# Altium PCB PCB_gravure_x4.PcbDoc (part 1 of 3) (continued)
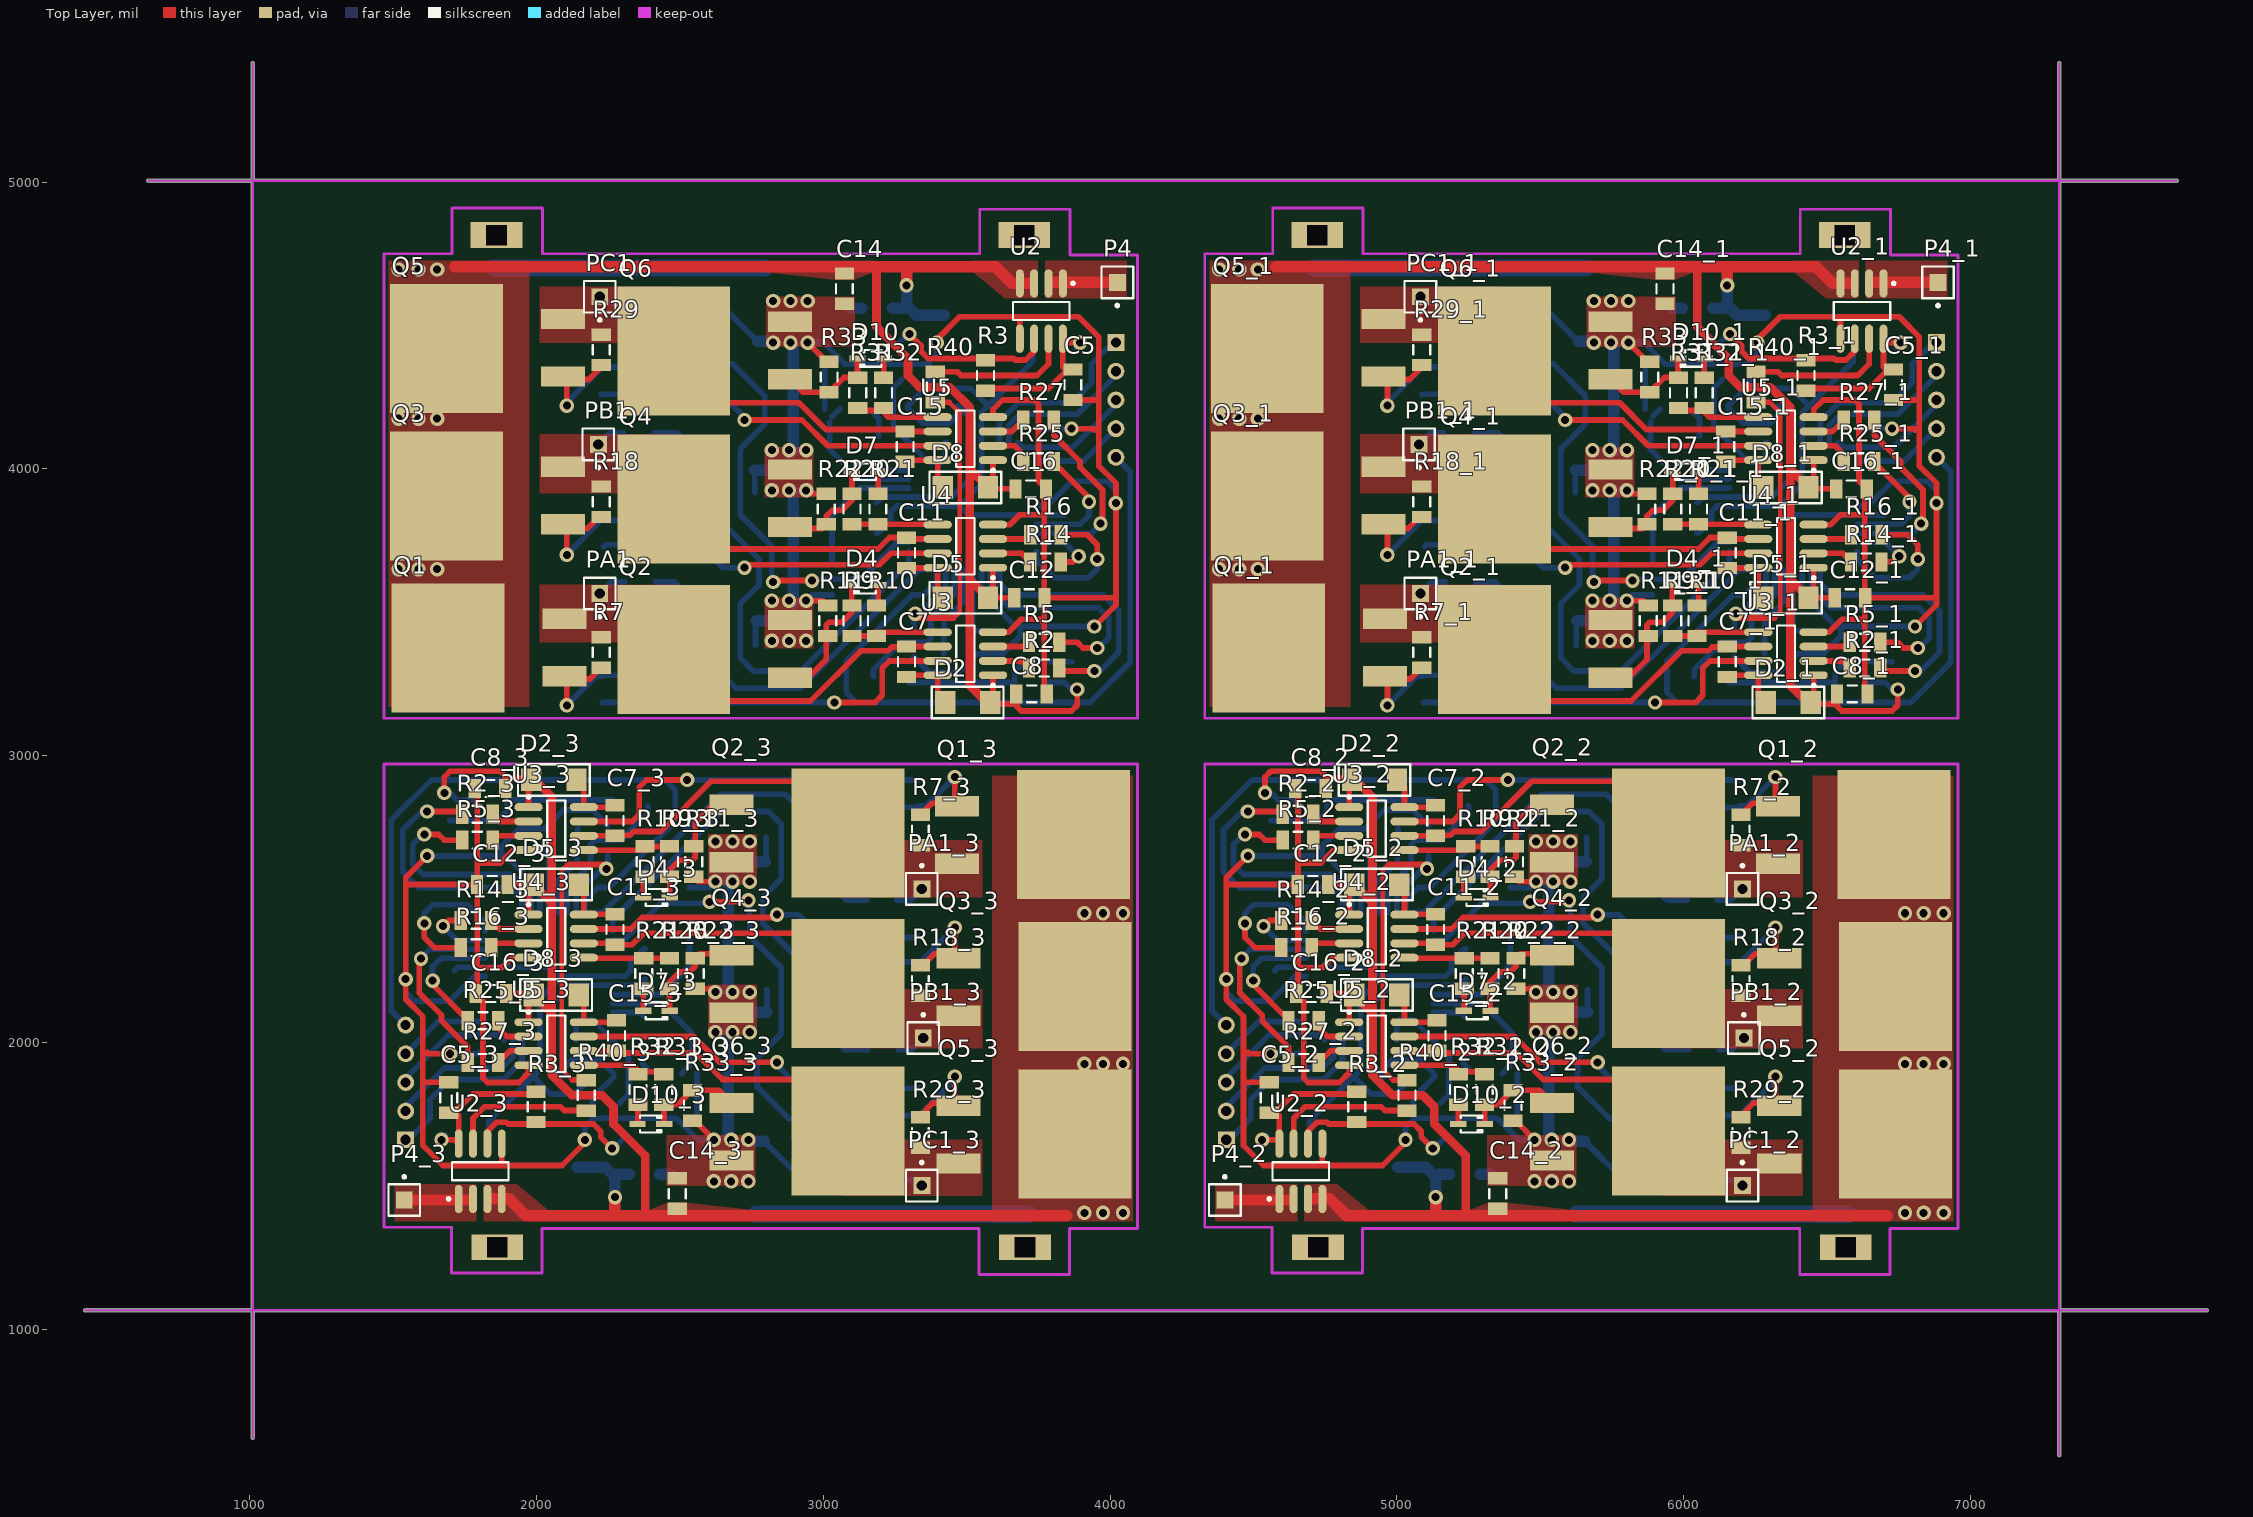
[diagram p0: Top Layer view]
## Components (designator, comment, footprint, x,y, rotation, side; value= is the part's Value field where it differs from the comment) (continued)
Q3_1 "STB85NF55T4" TO-263-2 4355,3665 r90 top (schematic designator Q3)
Q3_2 "STB85NF55T4" TO-263-2 6931.88,2435 r270 top (schematic designator Q3)
Q3_3 "STB85NF55T4" TO-263-2 4070,2435 r270 top (schematic designator Q3)
Q4 "STB85NF55T4" TO-263-2 2285,3655 r90 top
Q4_1 "STB85NF55T4" TO-263-2 5146.88,3655 r90 top (schematic designator Q4)
Q4_2 "STB85NF55T4" TO-263-2 6140,2445 r270 top (schematic designator Q4)
Q4_3 "STB85NF55T4" TO-263-2 3278.12,2445 r270 top (schematic designator Q4)
Q5 "STB85NF55T4" TO-263-2 1493.12,4180 r90 top
Q5_1 "STB85NF55T4" TO-263-2 4355,4180 r90 top (schematic designator Q5)
Q5_2 "STB85NF55T4" TO-263-2 6931.88,1920 r270 top (schematic designator Q5)
Q5_3 "STB85NF55T4" TO-263-2 4070,1920 r270 top (schematic designator Q5)
Q6 "STB85NF55T4" TO-263-2 2285,4170 r90 top
Q6_1 "STB85NF55T4" TO-263-2 5146.88,4170 r90 top (schematic designator Q6)
Q6_2 "STB85NF55T4" TO-263-2 6140,1930 r270 top (schematic designator Q6)
Q6_3 "STB85NF55T4" TO-263-2 3278.12,1930 r270 top (schematic designator Q6)
R1 "Res3" "1206 resistor" 3720,3245 r180 bottom
R1_1 "Res3" "1206 resistor" 6581.88,3245 r180 bottom (schematic designator R1)
R1_2 "Res3" "1206 resistor" 4705,2855 r0 bottom (schematic designator R1)
R1_3 "Res3" "1206 resistor" 1843.12,2855 r0 bottom (schematic designator R1)
R2 "Res3" "1206 resistor" 3770,3305 r180 top
R2_1 "Res3" "1206 resistor" 6631.88,3305 r180 top (schematic designator R2)
R2_2 "Res3" "1206 resistor" 4655,2795 r0 top (schematic designator R2)
R2_3 "Res3" "1206 resistor" 1793.12,2795 r0 top (schematic designator R2)
R3 "Res3" "1206 resistor" 3565,4325 r270 top
R3_1 "Res3" "1206 resistor" 6426.88,4325 r270 top (schematic designator R3)
R3_2 "Res3" "1206 resistor" 4860,1775 r90 top (schematic designator R3)
R3_3 "Res3" "1206 resistor" 1998.12,1775 r90 top (schematic designator R3)
R4 "Res3" "1206 resistor" 2345,3280 r180 bottom
R4_1 "Res3" "1206 resistor" 5206.88,3280 r180 bottom (schematic designator R4)
R4_2 "Res3" "1206 resistor" 6080,2820 r0 bottom (schematic designator R4)
R4_3 "Res3" "1206 resistor" 3218.12,2820 r0 bottom (schematic designator R4)
R5 "Res3" "1206 resistor" 3770,3395 r180 top
R5_1 "Res3" "1206 resistor" 6631.88,3395 r180 top (schematic designator R5)
R5_2 "Res3" "1206 resistor" 4655,2705 r0 top (schematic designator R5)
R5_3 "Res3" "1206 resistor" 1793.12,2705 r0 top (schematic designator R5)
R6 "Res3" "1206 resistor" 2345,3185 r180 bottom
R6_1 "Res3" "1206 resistor" 5206.88,3185 r180 bottom (schematic designator R6)
R6_2 "Res3" "1206 resistor" 6080,2915 r0 bottom (schematic designator R6)
R6_3 "Res3" "1206 resistor" 3218.12,2915 r0 bottom (schematic designator R6)
R7 "Res3" "1206 resistor" 2225,3360 r270 top
R7_1 "Res3" "1206 resistor" 5086.88,3360 r270 top (schematic designator R7)
R7_2 "Res3" "1206 resistor" 6200,2740 r90 top (schematic designator R7)
R7_3 "Res3" "1206 resistor" 3338.12,2740 r90 top (schematic designator R7)
R8 "Res3" "1206 resistor" 2360,3605 r180 bottom
R8_1 "Res3" "1206 resistor" 5221.88,3605 r180 bottom (schematic designator R8)
R8_2 "Res3" "1206 resistor" 6065,2495 r0 bottom (schematic designator R8)
R8_3 "Res3" "1206 resistor" 3203.12,2495 r0 bottom (schematic designator R8)
R9 "Res3" "1206 resistor" 3100,3470 r90 top
R9_1 "Res3" "1206 resistor" 5961.88,3470 r90 top (schematic designator R9)
R9_2 "Res3" "1206 resistor" 5325,2630 r270 top (schematic designator R9)
R9_3 "Res3" "1206 resistor" 2463.12,2630 r270 top (schematic designator R9)
R10 "Res3" "1206 resistor" 3185,3470 r90 top
R10_1 "Res3" "1206 resistor" 6046.88,3470 r90 top (schematic designator R10)
R10_2 "Res3" "1206 resistor" 5240,2630 r270 top (schematic designator R10)
R10_3 "Res3" "1206 resistor" 2378.12,2630 r270 top (schematic designator R10)
R11 "Res3" "1206 resistor" 3015,3470 r270 top
R11_1 "Res3" "1206 resistor" 5876.88,3470 r270 top (schematic designator R11)
R11_2 "Res3" "1206 resistor" 5410,2630 r90 top (schematic designator R11)
R11_3 "Res3" "1206 resistor" 2548.12,2630 r90 top (schematic designator R11)
R12 "Res3" "1206 resistor" 2710,3385 r180 bottom
R12_1 "Res3" "1206 resistor" 5571.88,3385 r180 bottom (schematic designator R12)
R12_2 "Res3" "1206 resistor" 5715,2715 r0 bottom (schematic designator R12)
R12_3 "Res3" "1206 resistor" 2853.12,2715 r0 bottom (schematic designator R12)
R13 "Res3" "1206 resistor" 2535,3470 r180 bottom
R13_1 "Res3" "1206 resistor" 5396.88,3470 r180 bottom (schematic designator R13)
R13_2 "Res3" "1206 resistor" 5890,2630 r0 bottom (schematic designator R13)
R13_3 "Res3" "1206 resistor" 3028.12,2630 r0 bottom (schematic designator R13)
R14 "Res3" "1206 resistor" 3775,3675 r180 top
R14_1 "Res3" "1206 resistor" 6636.88,3675 r180 top (schematic designator R14)
R14_2 "Res3" "1206 resistor" 4650,2425 r0 top (schematic designator R14)
R14_3 "Res3" "1206 resistor" 1788.12,2425 r0 top (schematic designator R14)
R15 "Res3" "1206 resistor" 2360,3820 r180 bottom
R15_1 "Res3" "1206 resistor" 5221.88,3820 r180 bottom (schematic designator R15)
R15_2 "Res3" "1206 resistor" 6065,2280 r0 bottom (schematic designator R15)
R15_3 "Res3" "1206 resistor" 3203.12,2280 r0 bottom (schematic designator R15)
R16 "Res3" "1206 resistor" 3775,3770 r180 top
R16_1 "Res3" "1206 resistor" 6636.88,3770 r180 top (schematic designator R16)
R16_2 "Res3" "1206 resistor" 4650,2330 r0 top (schematic designator R16)
R16_3 "Res3" "1206 resistor" 1788.12,2330 r0 top (schematic designator R16)
R17 "Res3" "1206 resistor" 2360,3735 r180 bottom
R17_1 "Res3" "1206 resistor" 5221.88,3735 r180 bottom (schematic designator R17)
R17_2 "Res3" "1206 resistor" 6065,2365 r0 bottom (schematic designator R17)
R17_3 "Res3" "1206 resistor" 3203.12,2365 r0 bottom (schematic designator R17)
R18 "Res3" "1206 resistor" 2225,3885 r270 top
R18_1 "Res3" "1206 resistor" 5086.88,3885 r270 top (schematic designator R18)
R18_2 "Res3" "1206 resistor" 6200,2215 r90 top (schematic designator R18)
R18_3 "Res3" "1206 resistor" 3338.12,2215 r90 top (schematic designator R18)
R19 "Res3" "1206 resistor" 2355,4125 r180 bottom
R19_1 "Res3" "1206 resistor" 5216.88,4125 r180 bottom (schematic designator R19)
R19_2 "Res3" "1206 resistor" 6070,1975 r0 bottom (schematic designator R19)
R19_3 "Res3" "1206 resistor" 3208.12,1975 r0 bottom (schematic designator R19)
R20 "Res3" "1206 resistor" 3100,3860 r90 top
R20_1 "Res3" "1206 resistor" 5961.88,3860 r90 top (schematic designator R20)
R20_2 "Res3" "1206 resistor" 5325,2240 r270 top (schematic designator R20)
R20_3 "Res3" "1206 resistor" 2463.12,2240 r270 top (schematic designator R20)
R21 "Res3" "1206 resistor" 3190,3860 r90 top
R21_1 "Res3" "1206 resistor" 6051.88,3860 r90 top (schematic designator R21)
R21_2 "Res3" "1206 resistor" 5235,2240 r270 top (schematic designator R21)
R21_3 "Res3" "1206 resistor" 2373.12,2240 r270 top (schematic designator R21)
R22 "Res3" "1206 resistor" 3010,3860 r270 top
R22_1 "Res3" "1206 resistor" 5871.88,3860 r270 top (schematic designator R22)
R22_2 "Res3" "1206 resistor" 5415,2240 r90 top (schematic designator R22)
R22_3 "Res3" "1206 resistor" 2553.12,2240 r90 top (schematic designator R22)
R23 "Res3" "1206 resistor" 2705,3915 r180 bottom
R23_1 "Res3" "1206 resistor" 5566.88,3915 r180 bottom (schematic designator R23)
R23_2 "Res3" "1206 resistor" 5720,2185 r0 bottom (schematic designator R23)
R23_3 "Res3" "1206 resistor" 2858.12,2185 r0 bottom (schematic designator R23)
R24 "Res3" "1206 resistor" 2535,3995 r180 bottom
R24_1 "Res3" "1206 resistor" 5396.88,3995 r180 bottom (schematic designator R24)
R24_2 "Res3" "1206 resistor" 5890,2105 r0 bottom (schematic designator R24)
R24_3 "Res3" "1206 resistor" 3028.12,2105 r0 bottom (schematic designator R24)
R25 "Res3" "1206 resistor" 3750,4025 r180 top
R25_1 "Res3" "1206 resistor" 6611.88,4025 r180 top (schematic designator R25)
R25_2 "Res3" "1206 resistor" 4675,2075 r0 top (schematic designator R25)
R25_3 "Res3" "1206 resistor" 1813.12,2075 r0 top (schematic designator R25)
R26 "Res3" "1206 resistor" 2365,4355 r180 bottom
R26_1 "Res3" "1206 resistor" 5226.88,4355 r180 bottom (schematic designator R26)
R26_2 "Res3" "1206 resistor" 6060,1745 r0 bottom (schematic designator R26)
R26_3 "Res3" "1206 resistor" 3198.12,1745 r0 bottom (schematic designator R26)
R27 "Res3" "1206 resistor" 3750,4170 r180 top
R27_1 "Res3" "1206 resistor" 6611.88,4170 r180 top (schematic designator R27)
R27_2 "Res3" "1206 resistor" 4675,1930 r0 top (schematic designator R27)
R27_3 "Res3" "1206 resistor" 1813.12,1930 r0 top (schematic designator R27)
R28 "Res3" "1206 resistor" 2365,4260 r180 bottom
R28_1 "Res3" "1206 resistor" 5226.88,4260 r180 bottom (schematic designator R28)
R28_2 "Res3" "1206 resistor" 6060,1840 r0 bottom (schematic designator R28)
R28_3 "Res3" "1206 resistor" 3198.12,1840 r0 bottom (schematic designator R28)
R29 "Res3" "1206 resistor" 2225,4415 r270 top
R29_1 "Res3" "1206 resistor" 5086.88,4415 r270 top (schematic designator R29)
R29_2 "Res3" "1206 resistor" 6200,1685 r90 top (schematic designator R29)
R29_3 "Res3" "1206 resistor" 3338.12,1685 r90 top (schematic designator R29)
R30 "Res3" "1206 resistor" 2361.15,4579.99 r180 bottom
R30_1 "Res3" "1206 resistor" 5223.02,4579.99 r180 bottom (schematic designator R30)
R30_2 "Res3" "1206 resistor" 6063.85,1520.01 r0 bottom (schematic designator R30)
R30_3 "Res3" "1206 resistor" 3201.98,1520.01 r0 bottom (schematic designator R30)
R31 "Res3" "1206 resistor" 3120,4265 r90 top
R31_1 "Res3" "1206 resistor" 5981.88,4265 r90 top (schematic designator R31)
R31_2 "Res3" "1206 resistor" 5305,1835 r270 top (schematic designator R31)
R31_3 "Res3" "1206 resistor" 2443.12,1835 r270 top (schematic designator R31)
R32 "Res3" "1206 resistor" 3210,4265 r90 top
R32_1 "Res3" "1206 resistor" 6071.88,4265 r90 top (schematic designator R32)
R32_2 "Res3" "1206 resistor" 5215,1835 r270 top (schematic designator R32)
R32_3 "Res3" "1206 resistor" 2353.12,1835 r270 top (schematic designator R32)
R33 "Res3" "1206 resistor" 3020,4320 r270 top
R33_1 "Res3" "1206 resistor" 5881.88,4320 r270 top (schematic designator R33)
R33_2 "Res3" "1206 resistor" 5405,1780 r90 top (schematic designator R33)
R33_3 "Res3" "1206 resistor" 2543.12,1780 r90 top (schematic designator R33)
R34 "Res3" "1206 resistor" 2540,4579.99 r180 bottom
R34_1 "Res3" "1206 resistor" 5401.88,4579.99 r180 bottom (schematic designator R34)
R34_2 "Res3" "1206 resistor" 5885,1520.01 r0 bottom (schematic designator R34)
R34_3 "Res3" "1206 resistor" 3023.12,1520.01 r0 bottom (schematic designator R34)
R35 "Res3" "1206 resistor" 2540,4445 r180 bottom
R35_1 "Res3" "1206 resistor" 5401.88,4445 r180 bottom (schematic designator R35)
R35_2 "Res3" "1206 resistor" 5885,1655 r0 bottom (schematic designator R35)
R35_3 "Res3" "1206 resistor" 3023.12,1655 r0 bottom (schematic designator R35)
R36 "Res3" "1206 resistor" 3475,3435 r0 bottom
R36_1 "Res3" "1206 resistor" 6336.88,3435 r0 bottom (schematic designator R36)
R36_2 "Res3" "1206 resistor" 4950,2665 r180 bottom (schematic designator R36)
R36_3 "Res3" "1206 resistor" 2088.12,2665 r180 bottom (schematic designator R36)
R37 "Res3" "1206 resistor" 3860,3380 r270 bottom
R37_1 "Res3" "1206 resistor" 6721.88,3380 r270 bottom (schematic designator R37)
R37_2 "Res3" "1206 resistor" 4565,2720 r90 bottom (schematic designator R37)
R37_3 "Res3" "1206 resistor" 1703.12,2720 r90 bottom (schematic designator R37)
R38 "Res3" "1206 resistor" 3240,3260 r0 bottom
R38_1 "Res3" "1206 resistor" 6101.88,3260 r0 bottom (schematic designator R38)
R38_2 "Res3" "1206 resistor" 5185,2840 r180 bottom (schematic designator R38)
R38_3 "Res3" "1206 resistor" 2323.12,2840 r180 bottom (schematic designator R38)
R39 "Res3" "1206 resistor" 3273.12,4365 r270 bottom
R39_1 "Res3" "1206 resistor" 6135,4365 r270 bottom (schematic designator R39)
R39_2 "Res3" "1206 resistor" 5151.88,1735 r90 bottom (schematic designator R39)
R39_3 "Res3" "1206 resistor" 2290,1735 r90 bottom (schematic designator R39)
R40 "Res3" "1206 resistor" 3390,4285 r270 top
R40_1 "Res3" "1206 resistor" 6251.88,4285 r270 top (schematic designator R40)
R40_2 "Res3" "1206 resistor" 5035,1815 r90 top (schematic designator R40)
R40_3 "Res3" "1206 resistor" 2173.12,1815 r90 top (schematic designator R40)
R41 "Res3" "1206 resistor" 3193.12,4060 r270 bottom
R41_1 "Res3" "1206 resistor" 6055,4060 r270 bottom (schematic designator R41)
R41_2 "Res3" "1206 resistor" 5231.88,2040 r90 bottom (schematic designator R41)
R41_3 "Res3" "1206 resistor" 2370,2040 r90 bottom (schematic designator R41)
U1 "DSPIC30F3011-30I/PT" TQFP-PT44_N 3520,3870 r180 bottom
U1_1 "DSPIC30F3011-30I/PT" TQFP-PT44_N 6381.88,3870 r180 bottom (schematic designator U1)
U1_2 "DSPIC30F3011-30I/PT" TQFP-PT44_N 4905,2230 r0 bottom (schematic designator U1)
U1_3 "DSPIC30F3011-30I/PT" TQFP-PT44_N 2043.12,2230 r0 bottom (schematic designator U1)
U2 "ACS711" SOIC8 3760,4550 r270 top
U2_1 "ACS711" SOIC8 6621.88,4550 r270 top (schematic designator U2)
U2_2 "ACS711" SOIC8 4665,1550 r90 top (schematic designator U2)
U2_3 "ACS711" SOIC8 1803.12,1550 r90 top (schematic designator U2)
U3 "FAN7382M" SOIC8 3495,3355 r180 top
U3_1 "FAN7382M" SOIC8 6356.88,3355 r180 top (schematic designator U3)
U3_2 "FAN7382M" SOIC8 4930,2745 r0 top (schematic designator U3)
U3_3 "FAN7382M" SOIC8 2068.12,2745 r0 top (schematic designator U3)
U4 "FAN7382M" SOIC8 3495,3730 r180 top
U4_1 "FAN7382M" SOIC8 6356.88,3730 r180 top (schematic designator U4)
U4_2 "FAN7382M" SOIC8 4930,2370 r0 top (schematic designator U4)
U4_3 "FAN7382M" SOIC8 2068.12,2370 r0 top (schematic designator U4)
U5 "FAN7382M" SOIC8 3495,4105 r180 top
U5_1 "FAN7382M" SOIC8 6356.88,4105 r180 top (schematic designator U5)
U5_2 "FAN7382M" SOIC8 4930,1995 r0 top (schematic designator U5)
U5_3 "FAN7382M" SOIC8 2068.12,1995 r0 top (schematic designator U5)
U6 "AP1117ID50G" TO-252 3710,4440 r180 bottom
U6_1 "AP1117ID50G" TO-252 6571.88,4440 r180 bottom (schematic designator U6)
U6_2 "AP1117ID50G" TO-252 4715,1660 r0 bottom (schematic designator U6)
U6_3 "AP1117ID50G" TO-252 1853.12,1660 r0 bottom (schematic designator U6)
Y1 "XTAL" HC49/US 3030,3990 r270 bottom
Y1_1 "XTAL" HC49/US 5891.88,3990 r270 bottom (schematic designator Y1)
Y1_2 "XTAL" HC49/US 5395,2110 r90 bottom (schematic designator Y1)
Y1_3 "XTAL" HC49/US 2533.12,2110 r90 bottom (schematic designator Y1)

## Footprints (in the part's own frame and the unit in brackets; to place one, negate y for a bottom-side part, rotate by r counter-clockwise, add the part's x,y. Pads: shape width x height; smd on the part's side, far side on the other; paste and mask are expansions set on the pad)
"1206 capacitor" [mm]
  rect 1.1x1.7 smd: 1(-1.299,0) 2(1.401,0)
  silkscreen extent -0.35,-0.75 0.45,0.75, body extent -1.47,-0.8 1.73,0.8, height 1
"1206 resistor" [mm]
  rect 1.1x1.7 smd: 1(-1.35,0) 2(1.35,0)
  silkscreen extent -0.4,-0.75 0.4,0.75, body extent -1.6,-0.8 1.6,0.8, height 1
"Cap elec 10x16-5 Surface Mount" [mm]
  rect 2x7 smd: 1(0,0) 2(5,0)
  body extent -2.4,-1.6 7.6,17.4, height 10
DO-214AC [mm]
  rect 1.8x2 smd: A(-2,0) K(2,0)
  silkscreen extent -3.17,-1.4 3.17,1.4, body extent -2.55,-1.33 2.55,1.33, height 2.17
HC49/US [mm] "Crystal oscillator smd"
  rect 5.5x2 smd: 1(-4.877,0) 2(4.623,0)
  silkscreen extent -5.83,-2.45 5.57,2.45, body extent -6.48,-2.41 6.22,2.29, height 4.2
HDR1X5 [mm] "Connector; Header; 5 Position"
  rect 1.5x1.5 hole 0.9: 1(0,0)
  round 1.5 hole 0.9: 2(2.54,0) 3(5.08,0) 4(7.62,0) 5(10.16,0)
  silkscreen extent -1.27,-1.27 11.43,1.27, body extent -1.15,-1.25 11.55,1.25, height 8.2
"LED 1206 BLUE" [mm] "SMT BLUE LED; 2 Flat Leads"
  rect 1.5x1.5 smd: 1(-1.75,0) 2(1.75,0)
  silkscreen extent -2.9,-1.15 3.2,1.15, body extent -1.6,-0.79 1.6,0.81, height 1.11
PIN1#1 [mm] "Connector; Plug"
  rect 1.5x1.5 smd: 1(0,0)
  silkscreen extent -1.4,-1.4 1.4,2.17
PIN1#2 [mm] "Connector; Plug"
  rect 1.5x1.5 hole 0.9: 1(0,0)
  silkscreen extent -1.4,-1.4 1.4,2.17
SOD323 [mm]
  rect 1.45x0.55 smd: 1(1.175,0) 2(-1.175,0)
  silkscreen extent -0.95,-0.75 0.95,0.75, body extent -1.22,-0.61 1.28,0.64, height 1
SOIC8 [mm]
  oval 2.5x0.7 smd: 1(-2.45,1.905) 2(-2.45,0.635) 3(-2.45,-0.635) 4(-2.45,-1.905) 5(2.45,-1.905) 6(2.45,-0.635) 7(2.45,0.635) 8(2.45,1.905)
  silkscreen extent -2.57,-2.5 0.8,2.93, body extent -2.9,-2.45 3.1,2.45, height 1.75
TO-252 [mm] "3 pins"
  rect 3.5x2 smd: 1(7.3,-2.4) 3(7.3,2.4)
  rect 7.5x7.5 smd: 2(-0.5,0)
  body extent -2.33,-3.27 7.61,3.27, height 2.29
TO-263-2 [mm] "D2PAK, 2 leads"
  rect 1.8x3.9 smd: 1(3.6,-15.2) 3(8.7,-15.2)
  rect 11.43x10 smd: tab(6.1,-4.9)
  body extent 1.03,-16.44 11.7,-0.56, height 4.83
TQFP-PT44_N [mm] "Thin QFP, 44-Leads, Body 10x10mm, Pitch 0.8mm, IPC Medium Density"
  oval 1.75x0.55 smd: 1(-5.65,4) 2(-5.65,3.2) 3(-5.65,2.4) 4(-5.65,1.6) 5(-5.65,0.8) 6(-5.65,0) 7(-5.65,-0.8) 8(-5.65,-1.6) 9(-5.65,-2.4) 10(-5.65,-3.2) 11(-5.65,-4) 23(5.65,-4) 24(5.65,-3.2) 25(5.65,-2.4) 26(5.65,-1.6) 27(5.65,-0.8) 28(5.65,0) 29(5.65,0.8) 30(5.65,1.6) 31(5.65,2.4) 32(5.65,3.2) 33(5.65,4)
  oval 0.55x1.75 smd: 12(-4,-5.65) 13(-3.2,-5.65) 14(-2.4,-5.65) 15(-1.6,-5.65) 16(-0.8,-5.65) 17(0,-5.65) 18(0.8,-5.65) 19(1.6,-5.65) 20(2.4,-5.65) 21(3.2,-5.65) 22(4,-5.65) 34(4,5.65) 35(3.2,5.65) 36(2.4,5.65) 37(1.6,5.65) 38(0.8,5.65) 39(0,5.65) 40(-0.8,5.65) 41(-1.6,5.65) 42(-2.4,5.65) 43(-3.2,5.65) 44(-4,5.65)
  silkscreen extent -5.77,-4.35 4.35,4.95, body extent -5,-5 5,5, height 1.2

## Part data
C1 C1_1 C1_2 C1_3 C2 C2_1 C2_2 C2_3 C3 C3_1 C3_2 C3_3 C4 C4_1 C4_2 C4_3 C5 C5_1 C5_2 C5_3 C7 C7_1 C7_2 C7_3 C8 C8_1 C8_2 C8_3 C9 C9_1 C9_2 C9_3 C11 C11_1 C11_2 C11_3 C12 C12_1 C12_2 C12_3 C13 C13_1 C13_2 C13_3 C14 C14_1 C14_2 C14_3 C15 C15_1 C15_2 C15_3 C16 C16_1 C16_2 C16_3 C17 C17_1 C17_2 C17_3 C18 C18_1 C18_2 C18_3 C19 C19_1 C19_2 C19_3 C20 C20_1 C20_2 C20_3 C21 C21_1 C21_2 C21_3 C22 C22_1 C22_2 C22_3 C23 C23_1 C23_2 C23_3: "SMD capacitor"
C6 C6_1 C6_2 C6_3 C10 C10_1 C10_2 C10_3: "Capa pol through hole"
C24 C24_1 C24_2 C24_3 C25 C25_1 C25_2 C25_3: "Capacitor (Semiconductor SIM Model)"
D1 D1_1 D1_2 D1_3: "Typical RED, GREEN, YELLOW, AMBER GaAs LED"
D2 D2_1 D2_2 D2_3 D5 D5_1 D5_2 D5_3 D8 D8_1 D8_2 D8_3: "1.0A SURFACE MOUNT SUPER-FAST RECTIFIER"
D3 D3_1 D3_2 D3_3 D4 D4_1 D4_2 D4_3 D6 D6_1 D6_2 D6_3 D7 D7_1 D7_2 D7_3 D9 D9_1 D9_2 D9_3 D10 D10_1 D10_2 D10_3: "Diode commutation"
P2 P2_1 P2_2 P2_3: "Header, 5-Pin"
Q1 Q1_1 Q1_2 Q1_3 Q2 Q2_1 Q2_2 Q2_3 Q3 Q3_1 Q3_2 Q3_3 Q4 Q4_1 Q4_2 Q4_3 Q5 Q5_1 Q5_2 Q5_3 Q6 Q6_1 Q6_2 Q6_3: "MOSFET Canal-N, 80A 55V"
R1 R1_1 R1_2 R1_3 R2 R2_1 R2_2 R2_3 R3 R3_1 R3_2 R3_3 R4 R4_1 R4_2 R4_3 R5 R5_1 R5_2 R5_3 R6 R6_1 R6_2 R6_3 R7 R7_1 R7_2 R7_3 R8 R8_1 R8_2 R8_3 R9 R9_1 R9_2 R9_3 R10 R10_1 R10_2 R10_3 R11 R11_1 R11_2 R11_3 R12 R12_1 R12_2 R12_3 R13 R13_1 R13_2 R13_3 R14 R14_1 R14_2 R14_3 R15 R15_1 R15_2 R15_3 R16 R16_1 R16_2 R16_3 R17 R17_1 R17_2 R17_3 R18 R18_1 R18_2 R18_3 R19 R19_1 R19_2 R19_3 R20 R20_1 R20_2 R20_3 R21 R21_1 R21_2 R21_3 R22 R22_1 R22_2 R22_3 R23 R23_1 R23_2 R23_3 R24 R24_1 R24_2 R24_3 R25 R25_1 R25_2 R25_3 R26 R26_1 R26_2 R26_3 R27 R27_1 R27_2 R27_3 R28 R28_1 R28_2 R28_3 R29 R29_1 R29_2 R29_3 R30 R30_1 R30_2 R30_3 R31 R31_1 R31_2 R31_3 R32 R32_1 R32_2 R32_3 R33 R33_1 R33_2 R33_3 R34 R34_1 R34_2 R34_3 R35 R35_1 R35_2 R35_3 R36 R36_1 R36_2 R36_3 R37 R37_1 R37_2 R37_3 R38 R38_1 R38_2 R38_3 R39 R39_1 R39_2 R39_3 R40 R40_1 R40_2 R40_3 R41 R41_1 R41_2 R41_3: "Resistor"
U1 U1_1 U1_2 U1_3: "High-Performance 16-bit Digital Signal Controller, 24 KB Flash, 1 KB SRAM, 1 KB EEPROM, 44-Pin TQFP, Industrial Temperature"
U2 U2_1 U2_2 U2_3: "+/-12A HALL EFFECT CURRENT SENSOR"
U3 U3_1 U3_2 U3_3 U4 U4_1 U4_2 U4_3 U5 U5_1 U5_2 U5_3: "High and Low Side Gate Driver"
U6 U6_1 U6_2 U6_3: "LDO Voltage Regulator"
Y1 Y1_1 Y1_2 Y1_3: "Crystal Oscillator"

## Free pads (board coordinates)
  rect 180x90 hole 70 square: 0(1860,4815) 0(1863.12,1285) 0(3700,4815) 0(3703.12,1285) 0(4721.88,4815) 0(4725,1285) 0(6561.88,4815) 0(6565,1285)

## Via types
v1: diameter 50, hole 28, Top Layer to Bottom Layer, 200 vias

## Nets (pads, with @x,y where several pads share a name; then routed paths per layer and width w, separated by ;. In a path a pad name is that pad's centre, name@x,y a point inside that pad or via, vN(x,y) a via of type N, cw(c..) or ccw(c..) an arc to the next point about the centre after c; other vN are vias at no path point)
pads on no net: C1.1 C1.2 C1_1.1 C1_1.2 C1_2.1 C1_2.2 C1_3.1 C1_3.2 C2.1 C2.2 C2_1.1 C2_1.2 C2_2.1 C2_2.2 C2_3.1 C2_3.2 C3.1 C3.2 C3_1.1 C3_1.2 C3_2.1 C3_2.2 C3_3.1 C3_3.2 C4.1 C4.2 C4_1.1 C4_1.2 C4_2.1 C4_2.2 C4_3.1 C4_3.2 C5.1 C5.2 C5_1.1 C5_1.2 C5_2.1 C5_2.2 C5_3.1 C5_3.2 C6.1 C6.2 C6_1.1 C6_1.2 C6_2.1 C6_2.2 C6_3.1 C6_3.2 C7.1 C7.2 C7_1.1 C7_1.2 C7_2.1 C7_2.2 C7_3.1 C7_3.2 C8.1 C8.2 C8_1.1 C8_1.2 C8_2.1 C8_2.2 C8_3.1 C8_3.2 C9.1 C9.2 C9_1.1 C9_1.2 C9_2.1 C9_2.2 C9_3.1 C9_3.2 C10.1 C10.2 C10_1.1 C10_1.2 C10_2.1 C10_2.2 C10_3.1 C10_3.2 C11.1 C11.2 C11_1.1 C11_1.2 C11_2.1 C11_2.2 C11_3.1 C11_3.2 C12.1 C12.2 C12_1.1 C12_1.2 C12_2.1 C12_2.2 C12_3.1 C12_3.2 C13.1 C13.2 C13_1.1 C13_1.2 C13_2.1 C13_2.2 C13_3.1 C13_3.2 C14.1 C14.2 C14_1.1 C14_1.2 C14_2.1 C14_2.2 C14_3.1 C14_3.2 C15.1 C15.2 C15_1.1 C15_1.2 C15_2.1 C15_2.2 C15_3.1 C15_3.2 C16.1 C16.2 C16_1.1 C16_1.2 C16_2.1 C16_2.2 C16_3.1 C16_3.2 C17.1 C17.2 C17_1.1 C17_1.2 C17_2.1 C17_2.2 C17_3.1 C17_3.2 C18.1 C18.2 C18_1.1 C18_1.2 C18_2.1 C18_2.2 C18_3.1 C18_3.2 C19.1 C19.2 C19_1.1 C19_1.2 C19_2.1 C19_2.2 C19_3.1 C19_3.2 C20.1 C20.2 C20_1.1 C20_1.2 C20_2.1 C20_2.2 C20_3.1 C20_3.2 C21.1 C21.2 C21_1.1 C21_1.2 C21_2.1 C21_2.2 C21_3.1 C21_3.2 C22.1 C22.2 C22_1.1 C22_1.2 C22_2.1 C22_2.2 C22_3.1 C22_3.2 C23.1 C23.2 C23_1.1 C23_1.2 C23_2.1 C23_2.2 C23_3.1 C23_3.2 C24.1 C24.2 C24_1.1 C24_1.2 C24_2.1 C24_2.2 C24_3.1 C24_3.2 C25.1 C25.2 C25_1.1 C25_1.2 C25_2.1 C25_2.2 C25_3.1 C25_3.2 D1.1 D1.2 D1_1.1 D1_1.2 D1_2.1 D1_2.2 D1_3.1 D1_3.2 D2.A D2.K D2_1.A D2_1.K D2_2.A D2_2.K D2_3.A D2_3.K D3.1 D3.2 D3_1.1 D3_1.2 D3_2.1 D3_2.2 D3_3.1 D3_3.2 D4.1 D4.2 D4_1.1 D4_1.2 D4_2.1 D4_2.2 D4_3.1 D4_3.2 D5.A D5.K D5_1.A D5_1.K D5_2.A D5_2.K D5_3.A D5_3.K D6.1 D6.2 D6_1.1 D6_1.2 D6_2.1 D6_2.2 D6_3.1 D6_3.2 D7.1 D7.2 D7_1.1 D7_1.2 D7_2.1 D7_2.2 D7_3.1 D7_3.2 D8.A D8.K D8_1.A D8_1.K D8_2.A D8_2.K D8_3.A D8_3.K D9.1 D9.2 D9_1.1 D9_1.2 D9_2.1 D9_2.2 D9_3.1 D9_3.2 D10.1 D10.2 D10_1.1 D10_1.2 D10_2.1 D10_2.2 D10_3.1 D10_3.2 P2.1 P2.2 P2.3 P2.4 P2.5 P2_1.1 P2_1.2 P2_1.3 P2_1.4 P2_1.5 P2_2.1 P2_2.2 P2_2.3 P2_2.4 P2_2.5 P2_3.1 P2_3.2 P2_3.3 P2_3.4 P2_3.5 P4.1 P4_1.1 P4_2.1 P4_3.1 P5.1 P5_1.1 P5_2.1 P5_3.1 PA1.1 PA1_1.1 PA1_2.1 PA1_3.1 PB1.1 PB1_1.1 PB1_2.1 PB1_3.1 PC1.1 PC1_1.1 PC1_2.1 PC1_3.1 Q1.1 Q1.3 Q1.tab Q1_1.1 Q1_1.3 Q1_1.tab Q1_2.1 Q1_2.3 Q1_2.tab Q1_3.1 Q1_3.3 Q1_3.tab Q2.1 Q2.3 Q2.tab Q2_1.1 Q2_1.3 Q2_1.tab Q2_2.1 Q2_2.3 Q2_2.tab Q2_3.1 Q2_3.3 Q2_3.tab Q3.1 Q3.3 Q3.tab Q3_1.1 Q3_1.3 Q3_1.tab Q3_2.1 Q3_2.3 Q3_2.tab Q3_3.1 Q3_3.3 Q3_3.tab Q4.1 Q4.3 Q4.tab Q4_1.1 Q4_1.3 Q4_1.tab Q4_2.1 Q4_2.3 Q4_2.tab Q4_3.1 Q4_3.3 Q4_3.tab Q5.1 Q5.3 Q5.tab Q5_1.1 Q5_1.3 Q5_1.tab Q5_2.1 Q5_2.3 Q5_2.tab Q5_3.1 Q5_3.3 Q5_3.tab Q6.1 Q6.3 Q6.tab Q6_1.1 Q6_1.3 Q6_1.tab Q6_2.1 Q6_2.3 Q6_2.tab Q6_3.1 Q6_3.3 Q6_3.tab R1.1 R1.2 R1_1.1 R1_1.2 R1_2.1 R1_2.2 R1_3.1 R1_3.2 R2.1 R2.2 R2_1.1 R2_1.2 R2_2.1 R2_2.2 R2_3.1 R2_3.2 R3.1 R3.2 R3_1.1 R3_1.2 R3_2.1 R3_2.2 R3_3.1 R3_3.2 R4.1 R4.2 R4_1.1 R4_1.2 R4_2.1 R4_2.2 R4_3.1 R4_3.2 R5.1 R5.2 R5_1.1 R5_1.2 R5_2.1 R5_2.2 R5_3.1 R5_3.2 R6.1 R6.2 R6_1.1 R6_1.2 R6_2.1 R6_2.2 R6_3.1 R6_3.2 R7.1 R7.2 R7_1.1 R7_1.2 R7_2.1 R7_2.2 R7_3.1 R7_3.2 R8.1 R8.2 R8_1.1 R8_1.2 R8_2.1 R8_2.2 R8_3.1 R8_3.2 R9.1 R9.2 R9_1.1 R9_1.2 R9_2.1 R9_2.2 R9_3.1 R9_3.2 R10.1 R10.2 R10_1.1 R10_1.2 R10_2.1 R10_2.2 R10_3.1 R10_3.2 R11.1 R11.2 R11_1.1 R11_1.2 R11_2.1 R11_2.2 R11_3.1 R11_3.2 R12.1 R12.2 R12_1.1 R12_1.2 R12_2.1 R12_2.2 R12_3.1 R12_3.2 R13.1 R13.2 R13_1.1 R13_1.2 R13_2.1 R13_2.2 R13_3.1 R13_3.2 R14.1 R14.2 R14_1.1 R14_1.2 R14_2.1 R14_2.2 R14_3.1 R14_3.2 R15.1 R15.2 R15_1.1 R15_1.2 R15_2.1 R15_2.2 R15_3.1 R15_3.2 R16.1 R16.2 R16_1.1 R16_1.2 R16_2.1 R16_2.2 R16_3.1 R16_3.2 R17.1 R17.2 R17_1.1 R17_1.2 R17_2.1 R17_2.2 R17_3.1 R17_3.2 R18.1 R18.2 R18_1.1 R18_1.2 R18_2.1 R18_2.2 R18_3.1 R18_3.2 R19.1 R19.2 R19_1.1 R19_1.2 R19_2.1 R19_2.2 R19_3.1 R19_3.2 R20.1 R20.2 R20_1.1 R20_1.2 R20_2.1 R20_2.2 R20_3.1 R20_3.2 R21.1 R21.2 R21_1.1 R21_1.2 R21_2.1 R21_2.2 R21_3.1 R21_3.2 R22.1 R22.2 R22_1.1 R22_1.2 R22_2.1 R22_2.2 R22_3.1 R22_3.2 R23.1 R23.2 R23_1.1 R23_1.2 R23_2.1 R23_2.2 R23_3.1 R23_3.2 R24.1 R24.2 R24_1.1 R24_1.2 R24_2.1 R24_2.2 R24_3.1 R24_3.2 R25.1 R25.2 R25_1.1 R25_1.2 R25_2.1 R25_2.2 R25_3.1 R25_3.2 R26.1 R26.2 R26_1.1 R26_1.2 R26_2.1 R26_2.2 R26_3.1 R26_3.2 R27.1 R27.2 R27_1.1 R27_1.2 R27_2.1 R27_2.2 R27_3.1 R27_3.2 R28.1 R28.2 R28_1.1 R28_1.2 R28_2.1 R28_2.2 R28_3.1 R28_3.2 R29.1 R29.2 R29_1.1 R29_1.2 R29_2.1 R29_2.2 R29_3.1 R29_3.2 R30.1 R30.2 R30_1.1 R30_1.2 R30_2.1 R30_2.2 R30_3.1 R30_3.2 R31.1 R31.2 R31_1.1 R31_1.2 R31_2.1 R31_2.2 R31_3.1 R31_3.2 R32.1 R32.2 R32_1.1 R32_1.2 R32_2.1 R32_2.2 R32_3.1 R32_3.2 R33.1 R33.2 R33_1.1 R33_1.2 R33_2.1 R33_2.2 R33_3.1 R33_3.2 R34.1 R34.2 R34_1.1 R34_1.2 R34_2.1 R34_2.2 R34_3.1 R34_3.2 R35.1 R35.2 R35_1.1 R35_1.2 R35_2.1 R35_2.2 R35_3.1 R35_3.2 R36.1 R36.2 R36_1.1 R36_1.2 R36_2.1 R36_2.2 R36_3.1 R36_3.2 R37.1 R37.2 R37_1.1 R37_1.2 R37_2.1 R37_2.2 R37_3.1 R37_3.2 R38.1 R38.2 R38_1.1 R38_1.2 R38_2.1 R38_2.2 R38_3.1 R38_3.2 R39.1 R39.2 R39_1.1 R39_1.2 R39_2.1 R39_2.2 R39_3.1 R39_3.2 R40.1 R40.2 R40_1.1 R40_1.2 R40_2.1 R40_2.2 R40_3.1 R40_3.2 R41.1 R41.2 R41_1.1 R41_1.2 R41_2.1 R41_2.2 R41_3.1 R41_3.2 U1.1 U1.2 U1.3 U1.4 U1.5 U1.6 U1.7 U1.8 U1.9 U1.10 U1.11 U1.12 U1.13 U1.14 U1.15 U1.16 U1.17 U1.18 U1.19 U1.20 U1.21 U1.22 U1.23 U1.24 U1.25 U1.26 U1.27 U1.28 U1.29 U1.30 U1.31 U1.32 U1.33 U1.34 U1.35 U1.36 U1.37 U1.38 U1.39 U1.40 U1.41 U1.42 U1.43 U1.44 U1_1.1 U1_1.2 U1_1.3 U1_1.4 U1_1.5 U1_1.6 U1_1.7 U1_1.8 U1_1.9 U1_1.10 U1_1.11 U1_1.12 U1_1.13 U1_1.14 U1_1.15 U1_1.16 U1_1.17 U1_1.18 U1_1.19 U1_1.20 U1_1.21 U1_1.22 U1_1.23 U1_1.24 U1_1.25 U1_1.26 U1_1.27 U1_1.28 U1_1.29 U1_1.30 U1_1.31 U1_1.32 U1_1.33 U1_1.34 U1_1.35 U1_1.36 U1_1.37 U1_1.38 U1_1.39 U1_1.40 U1_1.41 U1_1.42 U1_1.43 U1_1.44 U1_2.1 U1_2.2 U1_2.3 U1_2.4 U1_2.5 U1_2.6 U1_2.7 U1_2.8 U1_2.9 U1_2.10 U1_2.11 U1_2.12 U1_2.13 U1_2.14 U1_2.15 U1_2.16 U1_2.17 U1_2.18 U1_2.19 U1_2.20 U1_2.21 U1_2.22 U1_2.23 U1_2.24 U1_2.25 U1_2.26 U1_2.27 U1_2.28 U1_2.29 U1_2.30 U1_2.31 U1_2.32 U1_2.33 U1_2.34 U1_2.35 U1_2.36 U1_2.37 U1_2.38 U1_2.39 U1_2.40 U1_2.41 U1_2.42 U1_2.43 U1_2.44 U1_3.1 U1_3.2 U1_3.3 U1_3.4 U1_3.5 U1_3.6 U1_3.7 U1_3.8 U1_3.9 U1_3.10 U1_3.11 U1_3.12 U1_3.13 U1_3.14 U1_3.15 U1_3.16 U1_3.17 U1_3.18 U1_3.19 U1_3.20 U1_3.21 U1_3.22 U1_3.23 U1_3.24 U1_3.25 U1_3.26 U1_3.27 U1_3.28 U1_3.29 U1_3.30 U1_3.31 U1_3.32 U1_3.33 U1_3.34 U1_3.35 U1_3.36 U1_3.37 U1_3.38 U1_3.39 U1_3.40 U1_3.41 U1_3.42 U1_3.43 U1_3.44 U2.1 U2.2 U2.3 U2.4 U2.5 U2.6 U2.7 U2.8 U2_1.1 U2_1.2 U2_1.3 U2_1.4 U2_1.5 U2_1.6 U2_1.7 U2_1.8 U2_2.1 U2_2.2 U2_2.3 U2_2.4 U2_2.5 U2_2.6 U2_2.7 U2_2.8 U2_3.1 U2_3.2 U2_3.3 U2_3.4 U2_3.5 U2_3.6 U2_3.7 U2_3.8 U3.1 U3.2 U3.3 U3.4 U3.5 U3.6 U3.7 U3.8 U3_1.1 U3_1.2 U3_1.3 U3_1.4 U3_1.5 U3_1.6 U3_1.7 U3_1.8 U3_2.1 U3_2.2 U3_2.3 U3_2.4 U3_2.5 U3_2.6 U3_2.7 U3_2.8 U3_3.1 U3_3.2 U3_3.3 U3_3.4 U3_3.5 U3_3.6 U3_3.7 U3_3.8 U4.1 U4.2 U4.3 U4.4 U4.5 U4.6 U4.7 U4.8 U4_1.1 U4_1.2 U4_1.3 U4_1.4 U4_1.5 U4_1.6 U4_1.7 U4_1.8 U4_2.1 U4_2.2 U4_2.3 U4_2.4 U4_2.5 U4_2.6 U4_2.7 U4_2.8 U4_3.1 U4_3.2 U4_3.3 U4_3.4 U4_3.5 U4_3.6 U4_3.7 U4_3.8 U5.1 U5.2 U5.3 U5.4 U5.5 U5.6 U5.7 U5.8 U5_1.1 U5_1.2 U5_1.3 U5_1.4 U5_1.5 U5_1.6 U5_1.7 U5_1.8 U5_2.1 U5_2.2 U5_2.3 U5_2.4 U5_2.5 U5_2.6 U5_2.7 U5_2.8 U5_3.1 U5_3.2 U5_3.3 U5_3.4 U5_3.5 U5_3.6 U5_3.7 U5_3.8 U6.1 U6.2 U6.3 U6_1.1 U6_1.2 U6_1.3 U6_2.1 U6_2.2 U6_2.3 U6_3.1 U6_3.2 U6_3.3 Y1.1 Y1.2 Y1_1.1 Y1_1.2 Y1_2.1 Y1_2.2 Y1_3.1 Y1_3.2